# Altium PCB Sensor.PcbDoc (part 1 of 2) (continued)
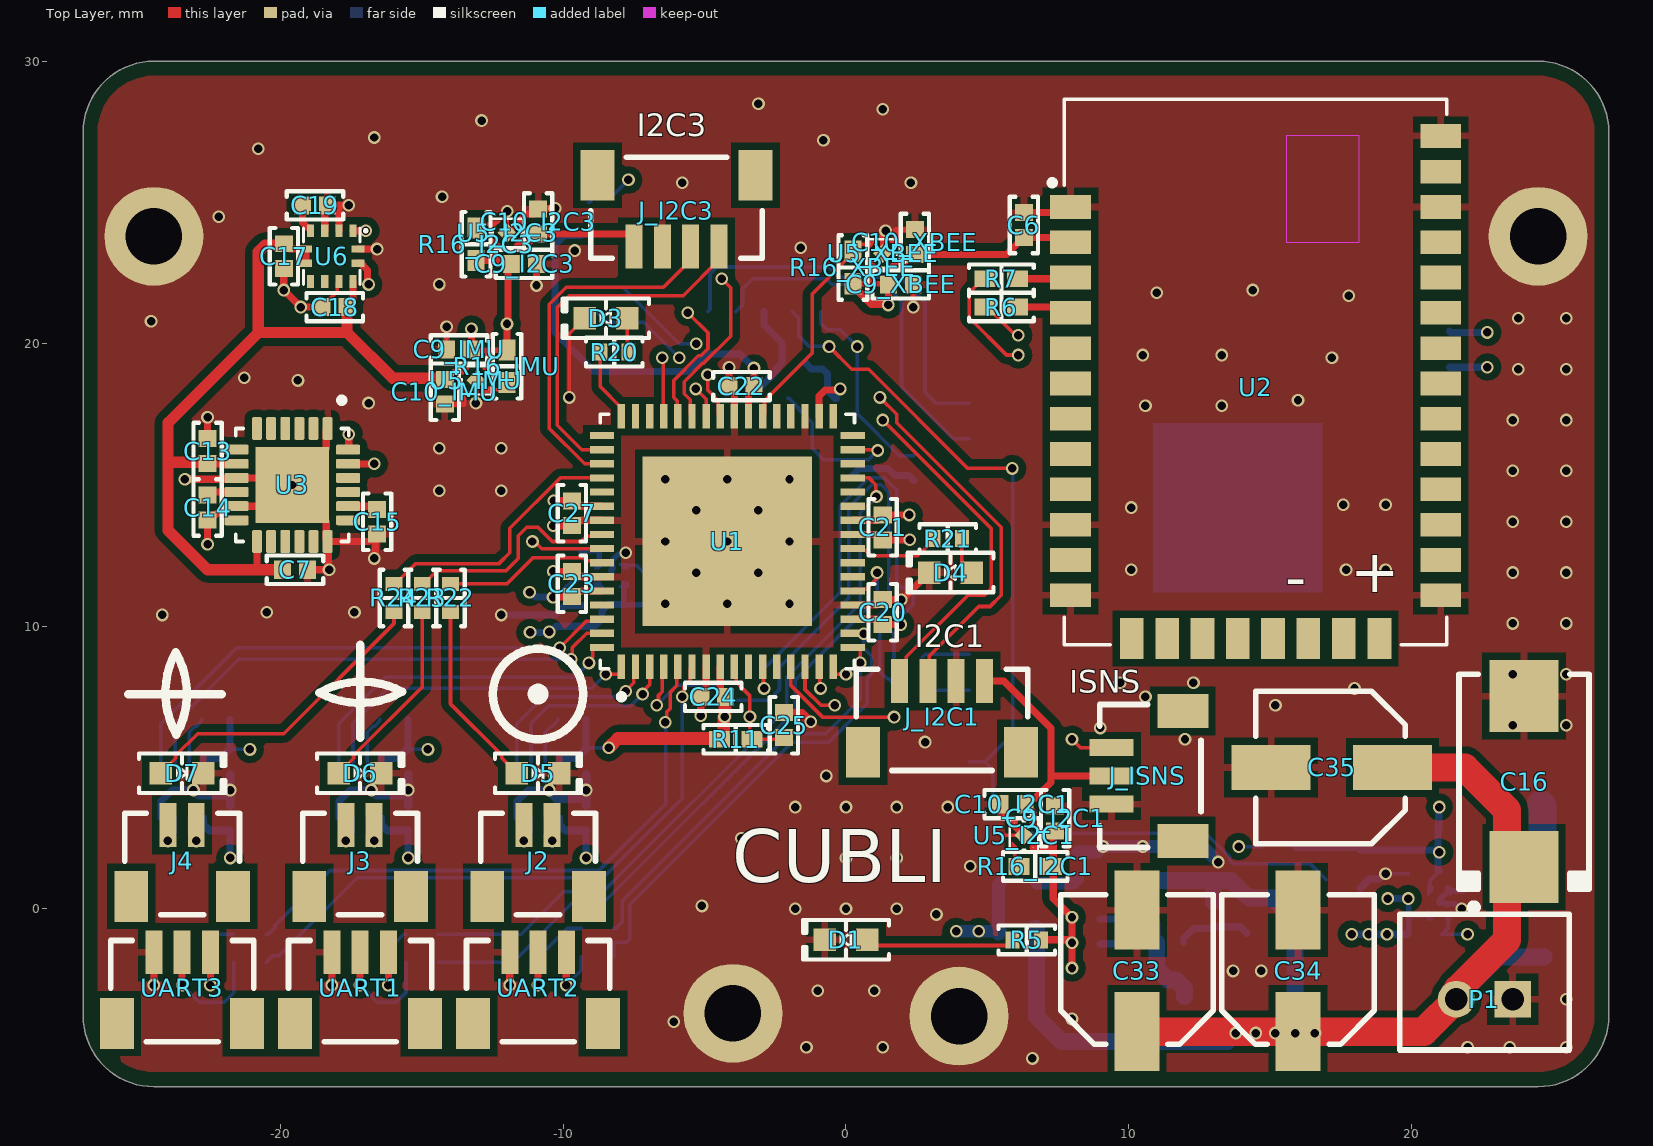
[diagram p0: Top Layer view]
## Components (designator, comment, footprint, x,y, rotation, side; value= is the part's Value field where it differs from the comment)
C1 "1 µF" "CAP 0402_1005" 9,-0.8 r90 bottom
C2 "1 µF" "CAP 0402_1005" 8,-3.4 r90 bottom
C3 "22 µF" "CAP 0402_1005" 8.3,1.5 r270 bottom
C4 "22 µF" "CAP 0603_1608" 14.2,-0.2 r90 bottom
C5 "0.1 µF" "CAP 0402_1005" 13,-0.2 r90 bottom
C6 "1 µF" "CAP 0402_1005" 6.3,24.2 r90 top
C7 "0.1 µF" "CAP 0402_1005" -19.5,12 r0 top
C8 "0.1 µF" "CAP 0402_1005" -9.2,5.2 r270 bottom
C9_ESP "0.1 µF" "CAP 0402_1005" 19.9,0.8 r270 bottom (schematic designator C9)
C9_I2C1 "0.1 µF" "CAP 0402_1005" 7.4,3.2 r270 top (schematic designator C9)
C9_I2C3 "0.1 µF" "CAP 0402_1005" -11.395,22.825 r180 top (schematic designator C9)
C9_IMU "0.1 µF" "CAP 0402_1005" -13.7,19.8 r0 top (schematic designator C9)
C9_MCU "0.1 µF" "CAP 0402_1005" -8.9,10.74 r0 bottom (schematic designator C9)
C9_XBEE "0.1 µF" "CAP 0402_1005" 1.94,22.1 r180 top (schematic designator C9)
C10_ESP "0.1 µF" "CAP 0402_1005" 21.4,1.3 r180 bottom (schematic designator C10)
C10_I2C1 "0.1 µF" "CAP 0402_1005" 5.9,3.7 r0 top (schematic designator C10)
C10_I2C3 "0.1 µF" "CAP 0402_1005" -10.895,24.325 r270 top (schematic designator C10)
C10_IMU "0.1 µF" "CAP 0402_1005" -14.2,18.3 r90 top (schematic designator C10)
C10_MCU "0.1 µF" "CAP 0402_1005" -9.4,12.24 r270 bottom (schematic designator C10)
C10_XBEE "0.1 µF" "CAP 0402_1005" 2.44,23.6 r270 top (schematic designator C10)
C11 "0.1 µF" "CAP 0402_1005" -9.2,3.2 r270 bottom
C12 "0.1 µF" "CAP 0402_1005" -15.5,5.2 r270 bottom
C13 "0.01 µF" "CAP 0402_1005" -22.6,16.2 r90 top
C14 "0.1 µF" "CAP 0402_1005" -22.6,14.2 r270 top
C15 "2200 pF" "CAP 0402_1005" -16.6,13.7 r270 top
C16 "100µF" "CAP POL 2917_7343" 24,4.5 r90 top
C17 "1 µF" "CAP 0402_1005" -19.9,23.1 r270 top
C18 "0.1 µF" "CAP 0402_1005" -18.1,21.3 r180 top
C19 "0.1 µF" "CAP 0402_1005" -18.8,24.9 r0 top
C20 "0.1 µF" "CAP 0402_1005" 1.3,10.5 r270 top
C21 "0.1 µF" "CAP 0402_1005" 1.3,13.5 r90 top
C22 "0.1 µF" "CAP 0402_1005" -3.7,18.5 r0 top
C23 "0.1 µF" "CAP 0402_1005" -9.7,11.5 r270 top
C24 "0.1 µF" "CAP 0402_1005" -4.7,7.5 r0 top
C25 "0.1 µF" "CAP 0402_1005" -2.2,6.5 r90 top
C26 "0.1 µF" "CAP 0402_1005" -15.5,3.2 r270 bottom
C27 "0.1 µF" "CAP 0402_1005" -9.7,14 r90 top
C28 "0.1 µF" "CAP 0402_1005" -21.8,5.2 r270 bottom
C29 "0.1 µF" "CAP 0402_1005" -21.8,3.2 r270 bottom
C30 "22 µF" "CAP 0603_1608" 18.2,1.4 r90 bottom
C31 "0.1 µF" "CAP 0402_1005" 21.4,2.8 r180 bottom
C32 "0.1 µF" "CAP 0402_1005" 2.4,15.6 r90 bottom
C33 "22 µF" "CAP ALSMD 5.3MM H5.4MM" 10.3,-2.2 r90 top
C34 "22 µF" "CAP ALSMD 5.3MM H5.4MM" 16,-2.2 r90 top
C35 "22 µF" "CAP ALSMD 5.3MM H5.4MM" 17.2,5 r180 top
C36 "0.1 µF" "CAP 0402_1005" -1.84,19.3 r0 bottom
D1 "Green" "LED 0603_1608 GREEN" 0,-1.1 r180 top
D2 "TVS" "DO214AC SMA" 24.6,5.7 r90 bottom
D3 "Green" "LED 0603_1608 GREEN" -8.5,20.9 r180 top
D4 "Green" "LED 0603_1608 GREEN" 3.7,11.9 r180 top
D5 "Green" "LED 0603_1608 GREEN" -10.9,4.8 r0 top
D6 "Green" "LED 0603_1608 GREEN" -17.2,4.8 r0 top
D7 "Green" "LED 0603_1608 GREEN" -23.5,4.8 r0 top
ICSP1 "BM05B-SRSS-TB(LF)(SN)" "JST BM05B-SRSS-TB" -10.363,23 r270 bottom
J2 "BM02B-SRSS-TB(LF)(SN)" "JST BM02B-SRSS-TB" -10.9,1.7 r180 top
J3 "BM02B-SRSS-TB(LF)(SN)" "JST BM02B-SRSS-TB" -17.2,1.7 r180 top
J4 "BM02B-SRSS-TB(LF)(SN)" "JST BM02B-SRSS-TB" -23.5,1.7 r180 top
J_ESP "BM05B-SRSS-TB(LF)(SN)" "JST BM05B-SRSS-TB" -2.9,22.4 r180 bottom
J_I2C1 "BM04B-SRSS-TB(LF)(SN)" "JST BM04B-SRSS-TB" 3.4,6.8 r180 top
J_I2C3 "BM04B-SRSS-TB(LF)(SN)" "JST BM04B-SRSS-TB" -6,24.7 r0 top
J_ISNS "BM03B-SRSS-TB(LF)(SN)" "JST BM03B-SRSS-TB" 10.662,4.7 r270 top
L1 "4.7µH" "IND 1008_2520" 10.7,-3.1 r180 bottom
P1 "2 pin 2mm JST Male" "2pin - 2mm JST male" 22.6,-3.2 r180 top
R1 "22 Ohms" "RES 0402_1005" -8.8,-1.7 r180 bottom
R2 "22 Ohms" "RES 0402_1005" -8.8,-0.7 r180 bottom
R3 "22 Ohms" "RES 0402_1005" -21.1,-0.9 r180 bottom
R4 "22 Ohms" "RES 0402_1005" -21.1,-1.9 r180 bottom
R5 "1 kOhms" "YAGEO RES 0402_1005" 6.4,-1.1 r180 top
R6 "22 Ohms" "RES 0402_1005" 5.5,21.3 r0 top
R7 "22 Ohms" "RES 0402_1005" 5.5,22.3 r0 top
R8 "1 kOhms" "YAGEO RES 0402_1005" -9.7,6.7 r180 bottom
R9 "1 kOhms" "YAGEO RES 0402_1005" -16,6.7 r180 bottom
R10 "1 kOhms" "YAGEO RES 0402_1005" -22.3,6.7 r180 bottom
R11 "10k" "RES 0402_1005" -3.9,6 r0 top
R12 "22 Ohms" "RES 0402_1005" -15,-0.9 r180 bottom
R13 "22 Ohms" "RES 0402_1005" -15,-1.9 r180 bottom
R14 "22 Ohms" "YAGEO RES 0402_1005" 2.2,7.9 r180 bottom
R15 "22 Ohms" "YAGEO RES 0402_1005" 2.2,8.9 r180 bottom
R16_ESP "10k" "RES 0402_1005" 20.5,-0.9 r0 bottom (schematic designator R16)
R16_I2C1 "10k" "RES 0402_1005" 6.7,1.5 r180 top (schematic designator R16)
R16_I2C3 "10k" "RES 0402_1005" -13.095,23.525 r90 top (schematic designator R16)
R16_IMU "10k" "RES 0402_1005" -12,19.2 r270 top (schematic designator R16)
R16_MCU "10k" "RES 0402_1005" -7.2,11.34 r90 bottom (schematic designator R16)
R16_XBEE "10k" "RES 0402_1005" 0.24,22.7 r90 top (schematic designator R16)
R17 "10 kOhms" "RES 0402_1005" 15.325,2.2 r180 bottom
R18 "10 kOhms" "RES 0402_1005" 17,1.6 r90 bottom
R19 "0.1 Ohms" "RES 1206_3216" 24.7,-0.3 r270 bottom value="0 Ohms"
R20 "1 kOhms" "YAGEO RES 0402_1005" -8.2,19.7 r180 top
R21 "1 kOhms" "YAGEO RES 0402_1005" 3.6,13.1 r180 top
R22 "1 kOhms" "YAGEO RES 0402_1005" -14,11 r90 top
R23 "1 kOhms" "YAGEO RES 0402_1005" -15,11 r90 top
R24 "1 kOhms" "YAGEO RES 0402_1005" -16,11 r90 top
R25 "0R" "RES 0603_1608" 6.1,-0.8 r180 bottom
R26 "0R" "RES 0603_1608" 6.1,0.9 r180 bottom
U1 "PIC32MZ0512EFE064" QFN50P900X900X100-65N -4.2,13 r90 top
U2 "XB3-24Z8UM-J" XCVR_XB3-24Z8UM-J 14.5,19 r0 top
U3 "MPU6050" IC_MPU6050 -19.6,15 r270 top
U4 "AP63205WU-7" "TSOT-26-6 - 3.2mm" 11,-0.1 r180 bottom
U5_ESP "TLV74033PDQNR" XDFN-4 21,0.2 r270 bottom (schematic designator U5)
U5_I2C1 "TLV74033PDQNR" XDFN-4 6.3,2.6 r270 top (schematic designator U5)
U5_I2C3 "TLV74033PDQNR" XDFN-4 -11.995,23.925 r180 top (schematic designator U5)
U5_IMU "TLV74033PDQNR" XDFN-4 -13.1,18.7 r0 top (schematic designator U5)
U5_MCU "TLV74033PDQNR" XDFN-4 -8.3,11.8 r0 bottom (schematic designator U5)
U5_XBEE "TLV74033PDQNR" XDFN-4 1.3,23.2 r180 top (schematic designator U5)
U6 "LIS3MDL" LGA12_ST -18.2,23.1 r270 top
U7 "ESP32" "Espressif ESP32-WROOM-32" 12.865,14.2 r180 bottom
U8 "DRV8837CDSGR" SON50P200X200X80-9N -10.9,4.2 r90 bottom
U9 "DRV8837CDSGR" SON50P200X200X80-9N -17.2,4.2 r90 bottom
U10 "DRV8837CDSGR" SON50P200X200X80-9N -23.5,4.2 r90 bottom
UART1 "BM03B-SRSS-TB(LF)(SN)" "JST BM03B-SRSS-TB" -17.2,-2.8 r180 top
UART2 "BM03B-SRSS-TB(LF)(SN)" "JST BM03B-SRSS-TB" -10.9,-2.8 r180 top
UART3 "BM03B-SRSS-TB(LF)(SN)" "JST BM03B-SRSS-TB" -23.5,-2.8 r180 top
Y1 "27MHz" "ABRACON ASD" -1.2,17.4 r180 bottom

## Footprints (in the part's own frame and the unit in brackets; to place one, negate y for a bottom-side part, rotate by r counter-clockwise, add the part's x,y. Pads: shape width x height; smd on the part's side, far side on the other; paste and mask are expansions set on the pad)
"2pin - 2mm JST male" [mm]
  rect 1.3x1.3 hole 0.8: 1(-1,0)
  round 1.3 hole 0.8: 2(1,0)
  silkscreen extent -3,-3 3,1.8, body extent -2.93,-2.97 2.93,1.7, height 5.89
"ABRACON ASD" [mm] "Crystal, 4-Leads, Body 2.00x2.45mm, Pitch 1.65mm, IPC Medium Density"
  rect 0.9x0.8 smd: 1(-0.865,-0.665) 2(0.865,-0.665) 3(0.865,0.665) 4(-0.865,0.665)
  silkscreen extent -1.75,-1.55 1.6,1.4, body extent -1.27,-1.02 1.28,1.03, height 1
"CAP 0402_1005" [mm] "Chip Capacitor, 2-Leads, Body 1.02x0.51mm, IPC Medium Density"
  rect 0.6x0.64 smd: 1(-0.44,0) 2(0.44,0)
  silkscreen extent -1,-0.5 1,0.5, body extent -0.5,-0.26 0.5,0.26, height 0.52
"CAP 0603_1608" [mm] "Chip Capacitor, 2-Leads, Body 1.60x0.80mm, IPC Medium Density"
  rect 0.9x1 smd: 1(-0.675,0) 2(0.675,0)
  silkscreen extent -1.4,-0.7 1.4,0.7, body extent -0.8,-0.41 0.8,0.41, height 0.82
"CAP ALSMD 5.3MM H5.4MM" [mm] "Aluminum Electrolytic Capacitor, Body 5.30x5.30x5.40mm, IPC Low Density"
  rect 2.8x1.6 smd: 1(-2.15,0) 2(2.15,0)
  silkscreen extent -2.6,-2.7 2.7,2.7, body extent -2.95,-2.7 2.95,2.7, height 5.4
"CAP POL 2917_7343" [mm] "Molded Capacitor, 2-Leads, Body 7.30x4.30mm, IPC Medium Density"
  rect 2.55x2.45 smd: 1(-3.025,0) 2(3.025,0)
  silkscreen extent -4.57,-2.3 3.8,2.3, body extent -3.65,-2.15 3.65,2.15, height 4.1
"DO214AC SMA" [mm] "Molded Diode, 2-Leads, Body 4.30x2.60mm, IPC Medium Density"
  rect 2.5x1.7 smd: 1(-2,0) 2(2,0)
  silkscreen extent -3.68,-1.65 3.75,1.65, body extent -2.6,-1.37 2.6,1.37, height 2.4
"Espressif ESP32-WROOM-32" [mm] "39-SMD Module"
  rrect10% 2x0.9 smd paste+0 mask+0.05: 1(-8.5,7.51) 2(-8.5,6.24) 3(-8.5,4.97) 4(-8.5,3.7) 5(-8.5,2.43) 6(-8.5,1.16) 7(-8.5,-0.11) 8(-8.5,-1.38) 9(-8.5,-2.65) 10(-8.5,-3.92) 11(-8.5,-5.19) 12(-8.5,-6.46) 13(-8.5,-7.73) 14(-8.5,-9) 25(8.5,-9) 26(8.5,-7.73) 27(8.5,-6.46) 28(8.5,-5.19) 29(8.5,-3.92) 30(8.5,-2.65)
  rrect10% 0.9x2 smd paste+0 mask+0.05: 15(-5.715,-10) 16(-4.445,-10) 17(-3.175,-10) 18(-1.905,-10) 19(-0.635,-10) 20(0.635,-10) 21(1.905,-10) 22(3.175,-10) 23(4.445,-10) 24(5.715,-10)
  rect 2x0.9 smd paste+0 mask+0.05: 31(8.5,-1.38) 32(8.5,-0.11) 33(8.5,1.16) 34(8.5,2.43) 35(8.5,3.7) 36(8.5,4.97) 37(8.5,6.24) 38(8.5,7.51)
  rect 1.33x1.33 smd paste+0 mask+0.05: 39(-2.835,-1.835) 39(-2.835,0) 39(-2.835,1.835) 39(-1,0) 39(-1,-1.835) 39(-1,1.835) 39(0.835,-1.835) 39(0.835,0) 39(0.835,1.835)
  Top Layer region: -4.001,3 1.999,3 1.999,-3 -4.001,-3
  silkscreen extent -10.71,-10.5 9,15, body extent -9,-10.5 9,15, height 3.2
IC_MPU6050 [mm]
  rrect25% 0.8x0.35 smd: 1(-2,1.25) 2(-2,0.75) 3(-2,0.25) 4(-2,-0.25) 5(-2,-0.75) 6(-2,-1.25) 13(2,-1.25) 14(2,-0.75) 15(2,-0.25) 16(2,0.25) 17(2,0.75) 18(2,1.25)
  rrect25% 0.35x0.85 smd: 7(-1.25,-1.975) 8(-0.75,-1.975) 9(-0.25,-1.975) 10(0.25,-1.975) 11(0.75,-1.975) 12(1.25,-1.975) 19(1.25,1.975) 20(0.75,1.975) 21(0.25,1.975) 22(-0.25,1.975) 23(-0.75,1.975) 24(-1.25,1.975)
  rect 2.7x2.6 smd paste-2: 25(0,0)
  silkscreen extent -3.1,-2 2,2, body extent -2,-2 2,2, height 0.93
"IND 1008_2520" [mm] "Chip Inductance, 2-leads, Body 2.5x2.1mm, IPC Medium Density"
  rect 1.2x1.75 smd: 1(-1.275,0) 2(1.275,0)
  silkscreen extent -2.18,-1.22 2.2,1.22, body extent -1.3,-1.05 1.3,1.05, height 1
"JST BM02B-SRSS-TB" [mm] "1.0mm pitch/Disconnectable Crimp style connector"
  rect 0.6x1.55 smd: 1(-0.5,-1.262) 2(0.5,-1.262)
  rect 1.2x1.8 smd: M(-1.8,1.262) M(1.8,1.262)
  silkscreen extent -2.03,-1.68 2.03,1.91, body extent -2,-1.69 2,1.91, height 4.32
"JST BM03B-SRSS-TB" [mm] "1.0mm pitch/Disconnectable Crimp style connector"
  rect 0.6x1.55 smd: 1(-1,-1.262) 2(0,-1.262) 3(1,-1.262)
  rect 1.2x1.8 smd: M(-2.3,1.262) M(2.3,1.262)
  silkscreen extent -2.53,-1.68 2.53,1.91, body extent -2.5,-1.69 2.5,1.91, height 4.32
"JST BM04B-SRSS-TB" [mm] "1.0mm pitch/Disconnectable Crimp style connector"
  rect 0.6x1.55 smd: 1(-1.5,-1.262) 2(-0.5,-1.262) 3(0.5,-1.262) 4(1.5,-1.262)
  rect 1.2x1.8 smd: M(-2.8,1.262) M(2.8,1.262)
  silkscreen extent -3.03,-1.68 3.03,1.91, body extent -3,-1.69 3,1.91, height 4.32
"JST BM05B-SRSS-TB" [mm] "1.0mm pitch/Disconnectable Crimp style connector"
  rect 0.6x1.55 smd: 1(-2,-1.262) 2(-1,-1.262) 3(0,-1.262) 4(1,-1.262) 5(2,-1.262)
  rect 1.2x1.8 smd: M(-3.3,1.262) M(3.3,1.262)
  silkscreen extent -3.53,-1.68 3.53,1.91, body extent -3.5,-1.69 3.5,1.91, height 4.32
"LED 0603_1608 GREEN" [mm] "Chip Diode, 2-Leads, Body 1.60x0.80mm, IPC Medium Density"
  rect 0.8x0.8 smd: 1(-0.75,0) 2(0.75,0)
  silkscreen extent -1.52,-0.7 1.52,0.7, body extent -0.8,-0.4 0.8,0.4, height 0.53
LGA12_ST [mm]
  rect 0.45x0.25 smd: 1(-0.9,0.75) 2(-0.9,0.25) 3(-0.9,-0.25) 4(-0.9,-0.75) 7(0.9,-0.75) 8(0.9,-0.25) 9(0.9,0.25) 10(0.9,0.75)
  rect 0.25x0.45 smd: 5(-0.25,-0.925) 6(0.25,-0.925) 11(0.25,0.925) 12(-0.25,0.925)
  silkscreen extent -1,-1 1,1.25, body extent -1,-1 1,1, height 0.25
QFN50P900X900X100-65N [mm]
  rect 0.86x0.26 smd: 1(-4.435,3.75) 2(-4.435,3.25) 3(-4.435,2.75) 4(-4.435,2.25) 5(-4.435,1.75) 6(-4.435,1.25) 7(-4.435,0.75) 8(-4.435,0.25) 9(-4.435,-0.25) 10(-4.435,-0.75) 11(-4.435,-1.25) 12(-4.435,-1.75) 13(-4.435,-2.25) 14(-4.435,-2.75) 15(-4.435,-3.25) 16(-4.435,-3.75) 33(4.435,-3.75) 34(4.435,-3.25) 35(4.435,-2.75) 36(4.435,-2.25) 37(4.435,-1.75) 38(4.435,-1.25) 39(4.435,-0.75) 40(4.435,-0.25) 41(4.435,0.25) 42(4.435,0.75) 43(4.435,1.25) 44(4.435,1.75) 45(4.435,2.25) 46(4.435,2.75) 47(4.435,3.25) 48(4.435,3.75)
  rect 0.26x0.86 smd: 17(-3.75,-4.435) 18(-3.25,-4.435) 19(-2.75,-4.435) 20(-2.25,-4.435) 21(-1.75,-4.435) 22(-1.25,-4.435) 23(-0.75,-4.435) 24(-0.25,-4.435) 25(0.25,-4.435) 26(0.75,-4.435) 27(1.25,-4.435) 28(1.75,-4.435) 29(2.25,-4.435) 30(2.75,-4.435) 31(3.25,-4.435) 32(3.75,-4.435) 49(3.75,4.435) 50(3.25,4.435) 51(2.75,4.435) 52(2.25,4.435) 53(1.75,4.435) 54(1.25,4.435) 55(0.75,4.435) 56(0.25,4.435) 57(-0.25,4.435) 58(-0.75,4.435) 59(-1.25,4.435) 60(-1.75,4.435) 61(-2.25,4.435) 62(-2.75,4.435) 63(-3.25,4.435) 64(-3.75,4.435)
  rect 6x6 smd: 65(0,0)
  silkscreen extent -5.59,-4.5 4.5,4.5, body extent -4.52,-4.52 4.52,4.52, height 0.9
"RES 0402_1005" [mm] "Chip Resistor, 2-Leads, Body 1.0x0.5mm, IPC Medium Density"
  rect 0.75x0.6 smd: 1(-0.575,0) 2(0.575,0)
  silkscreen extent -1.14,-0.51 1.14,0.51, body extent -0.5,-0.25 0.5,0.25, height 0.35
"RES 0603_1608" [mm] "Chip Resistor, 2-Leads, Body 1.60x0.80mm, IPC Medium Density"
  rect 0.85x0.95 smd: 1(-0.65,0) 2(0.65,0)
  silkscreen extent -1.27,-0.7 1.27,0.7, body extent -0.8,-0.4 0.8,0.4, height 0.45
"RES 1206_3216" [mm] "Chip Resistor, 2-Leads, Body 3.13x1.55mm, IPC Medium Density"
  rect 1.2x1.65 smd: 1(-1.4,0) 2(1.4,0)
  silkscreen extent -2.3,-1.1 2.3,1.1, body extent -1.6,-0.8 1.6,0.8, height 0.6
SON50P200X200X80-9N [mm]
  rrect25% 0.74x0.28 smd: 1(-0.985,0.75) 2(-0.985,0.25) 3(-0.985,-0.25) 4(-0.985,-0.75) 5(0.985,-0.75) 6(0.985,-0.25) 7(0.985,0.25) 8(0.985,0.75)
  rect 0.9x1.6 smd paste-2: 9(0,0)
  silkscreen extent -2.02,-1.21 1,1.21, body extent -1,-1 1,1, height 0.75
"TSOT-26-6 - 3.2mm" [mm]
  rect 0.7x1 smd: 1(0.95,1.1) 2(0,1.1) 3(-0.95,1.1) 4(-0.95,-1.1) 5(0,-1.1) 6(0.95,-1.1)
  silkscreen extent 1.54,1.25 1.65,1.35, body extent -1.45,-1.2 1.45,1.2, height 1
XCVR_XB3-24Z8UM-J [mil]
  rect 57x33 smd: 1(-258,230) 2(-258,180.8) 3(-258,131.6) 4(-258,82.4) 5(-258,33.2) 6(-258,-16) 7(-258,-65.2) 8(-258,-114.4) 9(-258,-163.6) 10(-258,-212.8) 11(-258,-262) 12(-258,-311.2) 21(258,-311.2) 22(258,-262) 23(258,-212.8) 24(258,-163.6) 25(258,-114.4) 26(258,-65.2) 27(258,-16) 28(258,33.2) 29(258,82.4) 30(258,131.6) 31(258,180.8) 32(258,230) 33(258,279.2) 34(258,329)
  rect 33x57 smd: 13(-172.5,-371.5) 14(-123.3,-371.5) 15(-74.1,-371.5) 16(-24.9,-371.5) 17(24.3,-371.5) 18(73.5,-371.5) 19(122.7,-371.5) 20(172.5,-371.5)
  Keep-Out Layer region: 143.5,180 43.5,180 43.5,330 143.5,330
  silkscreen extent -287,-380 266,380, body extent -267,-380 267,380, height 97
XDFN-4 [mil]
  round 1 smd mask+2.56: 1(-16.93,12.79) 2(-16.93,-12.79) 3(16.93,-12.79) 4(16.93,12.79)
  rect 18.9x18.9 smd rot 135 mask+2.56: 5(0,0)
  Top Layer region: -16.93,8.65 -9.84,15.75 -9.84,16.93 -24.02,16.93 -24.02,8.65
  Top Layer region: -16.93,-8.65 -9.84,-15.75 -9.84,-16.93 -24.02,-16.93 -24.02,-8.65
  Top Layer region: 16.93,8.65 9.84,15.75 9.84,16.93 24.02,16.93 24.02,8.65
  Top Layer region: 16.93,-8.65 9.84,-15.75 9.84,-16.93 24.02,-16.93 24.02,-8.65
  silkscreen extent -31,-20 20,20, body extent -20,-20 20,20, height 16
"YAGEO RES 0402_1005" [mm] "Chip Resistor, 2-Leads, Body 1.0x0.5mm"
  rect 0.5x0.6 smd: 1(-0.5,0) 2(0.5,0)
  silkscreen extent -1,-0.51 1,0.51, body extent -0.5,-0.25 0.5,0.25, height 0.35

## Part data
C1 C2 C3 C6 C13 C15 C17: library part C0402C104K4RACAUTO, "CAP CER 0.1UF 16V X7R 0402", Capacitance="0.1 µF", Device Package="0402 (1005 Metric)", Manufacturer=KEMET, Operating Temperature="-55°C ~ 125°C", Ratings=AEC-Q200, Supplier Part Number 1=399-6828-1-ND, Temperature Coefficient=X7R, Tolerance=±10%, Voltage - Rated=16V, Applications="Automotive, Bypass, Decoupling", ComponentLink1Description=Datasheet, ComponentLink1URL=https://api.kemet.com/component-edge/download/specsheet/C0402C104K4RACAUTO.pdf, ComponentLink2Description="DigiKey Link", ComponentLink2URL=https://www.digikey.com/en/products/detail/kemet/C0402C104K4RACAUTO/3314827, LastUpdated="8/14/2022 9:05:51 PM", Lifecycle Status=Active, Minimum Order=1, Mounting Type="Surface Mount, MLCC", Package / Case="0402 (1005 Metric)", Packaging=TapeAndReel, Part Number=C0402C104K4RACAUTO, Part Status=Active, PartId=3024, Price=0.01, Series="SMD Auto X7R", Size / Dimension="0.039\" L x 0.020\" W (1.00mm x 0.50mm)", Supplier 1=DigiKey, Thickness (Max)="0.022\" (0.55mm)"
C4 C30: library part C0603B476M007T, "CAP CER 47UF 6.3V X5R 0603", Capacitance="47 µF", Device Package="0603 (1608 Metric)", Manufacturer="Holy Stone Enterprise Co., Ltd.", Operating Temperature="-55°C ~ 85°C", Supplier Part Number 1=4587-C0603B476M007TCT-ND, Temperature Coefficient=X5R, Tolerance=±20%, Voltage - Rated=6.3V, Applications="SMPS Filtering", ComponentLink1Description=Datasheet, ComponentLink1URL=https://media.digikey.com/pdf/Data%20Sheets/Holy%20Stone/HCC_Series_DS.pdf, ComponentLink2Description="DigiKey Link", ComponentLink2URL=https://www.digikey.com/en/products/detail/holy-stone-enterprise-co-ltd/C0603B476M007T/16895203, LastUpdated="2/9/2024 8:09:41 PM", Lifecycle Status=Active, Minimum Order=1, Mounting Type="Surface Mount, MLCC", Package / Case="0603 (1608 Metric)", Packaging=TapeAndReel, Part Number=C0603B476M007T, Part Status=Active, PartId=48531, Price=0.12, Series=HCC, Size / Dimension="0.063\" L x 0.031\" W (1.60mm x 0.80mm)", Supplier 1=DigiKey, Thickness (Max)="0.039\" (1.00mm)"
C5 C7 C8 C9_ESP C9_I2C1 C9_I2C3 C9_IMU C9_MCU C9_XBEE C10_ESP C10_I2C1 C10_I2C3 C10_IMU C10_MCU C10_XBEE C11 C12 C14 C18 C19 C20 C21 C22 C23 C24 C25 C26 C27 C28 C29 C36: library part C0402C104K4RACAUTO, "CAP CER 0.1UF 16V X7R 0402", Device Package="0402 (1005 Metric)", Manufacturer=KEMET, Operating Temperature="-55°C ~ 125°C", Ratings=AEC-Q200, Supplier Part Number 1=399-6828-1-ND, Temperature Coefficient=X7R, Tolerance=±10%, Voltage - Rated=16V, Applications="Automotive, Bypass, Decoupling", Capacitance="0.1 µF", ComponentLink1Description=Datasheet, ComponentLink1URL=https://api.kemet.com/component-edge/download/specsheet/C0402C104K4RACAUTO.pdf, ComponentLink2Description="DigiKey Link", ComponentLink2URL=https://www.digikey.com/en/products/detail/kemet/C0402C104K4RACAUTO/3314827, Lifecycle Status=Active, Minimum Order=1, Mounting Type="Surface Mount, MLCC", Package / Case="0402 (1005 Metric)", Packaging=TapeAndReel, Part Number=C0402C104K4RACAUTO, Part Status=Active, PartId=3024, Price=0.01, Series="SMD Auto X7R", Size / Dimension="0.039\" L x 0.020\" W (1.00mm x 0.50mm)", Supplier 1=DigiKey, Thickness (Max)="0.022\" (0.55mm)"
  C5 C7 C8 C9_ESP C9_I2C1 C9_I2C3 C9_IMU C9_MCU C9_XBEE C10_ESP C10_I2C1 C10_I2C3 C10_IMU C10_MCU C10_XBEE C11 C12 C14 C18 C19 C20 C21 C22 C23 C24 C25 C26 C27 C28 C29: LastUpdated="8/14/2022 9:05:51 PM"
  C36: LastUpdated="2/9/2024 8:04:35 PM"
C16: library part 293D107X0020E2TE3, "CAP TANT 100UF 20% 20V 2917", Device Package="2917 (7343 Metric)", ESR (Equivalent Series Resistance)=500mOhm, Manufacturer="Vishay Sprague", Manufacturer Size Code=E, Operating Temperature="-55°C ~ 125°C", Supplier Part Number 1=718-293D107X0020E2TE3CT-ND, Tolerance=±20%, Capacitance=100µF, ComponentLink1Description=Datasheet, ComponentLink1URL=http://www.vishay.com/docs/40002/293d.pdf, ComponentLink2Description="DigiKey Link", ComponentLink2URL=http://digikey.com/product-detail/en/vishay-sprague/293D107X0020E2TE3/718-293D107X0020E2TE3CT-ND/10507022, Features="General Purpose", Height - Seated (Max)="0.170\" (4.32mm)", LastUpdated="13-Aug-20 10:43:35 AM", Lifecycle Status=Active, Minimum Order=1, Mounting Type="Surface Mount", Package / Case="2917 (7343 Metric)", Packaging=TapeAndReel, Part Number=293D107X0020E2TE3, Part Status=Active, PartId=1360, Price=0.70, Series="TANTAMOUNT®, 293D", Size / Dimension="0.287\" L x 0.169\" W (7.30mm x 4.30mm)", Supplier 1=DigiKey, Type=Molded
C31 C32: library part C1005X5R1E104K050BC, "CAP CER 0.1UF 25V X5R 0402", Device Package="0402 (1005 Metric)", Manufacturer="TDK Corporation", Operating Temperature="-55°C ~ 85°C", Supplier Part Number 1=445-4964-1-ND, Temperature Coefficient=X5R, Tolerance=±10%, Voltage - Rated=25V, Applications="General Purpose", Capacitance="0.1 µF", ComponentLink1Description=Datasheet, ComponentLink1URL=https://product.tdk.com/info/en/catalog/datasheets/mlcc_commercial_general_en.pdf?ref_disty=digikey, ComponentLink2Description="DigiKey Link", ComponentLink2URL=https://www.digikey.com/en/products/detail/tdk-corporation/C1005X5R1E104K050BC/2093232, Features="Low ESL", LastUpdated="9/24/2023 7:03:59 PM", Lifecycle Status=Active, Minimum Order=1, Mounting Type="Surface Mount, MLCC", Package / Case="0402 (1005 Metric)", Packaging=TapeAndReel, Part Number=C1005X5R1E104K050BC, Part Status=Active, PartId=34396, Price=0.01, Series=C, Size / Dimension="0.039\" L x 0.020\" W (1.00mm x 0.50mm)", Supplier 1=DigiKey, Thickness (Max)="0.022\" (0.55mm)"
C33 C34 C35: library part EMZA350ADA220ME61G, "CAP ALUM 22UF 20% 35V SMD", Device Package="Radial, Can - SMD", Lifetime @ Temp.="2000 Hrs @ 105°C", Manufacturer="United Chemi-Con", Operating Temperature="-55°C ~ 105°C", Ratings=AEC-Q200, Ripple Current @ High Frequency="160 mA @ 100 kHz", Ripple Current @ Low Frequency="64 mA @ 120 Hz", Supplier Part Number 1=565-2556-1-ND, Tolerance=±20%, Voltage - Rated="35 V", Applications=Automotive, Capacitance="22 µF", ComponentLink1Description=Datasheet, ComponentLink1URL=http://www.chemi-con.co.jp/cgi-bin/CAT_DB/SEARCH/cat_db_al.cgi?e=e&j=p&pdfname=mza, ComponentLink2Description="DigiKey Link", ComponentLink2URL=https://www.digikey.com/en/products/detail/united-chemi-con/EMZA350ADA220ME61G/757201, Height - Seated (Max)="0.240\" (6.10mm)", Impedance="700 mOhms", LastUpdated="6/3/2024 7:53:11 PM", Lifecycle Status=Active, Minimum Order=1, Mounting Type="Surface Mount", Package / Case="Radial, Can - SMD", Packaging=TapeAndReel, Part Number=EMZA350ADA220ME61G, Part Status=Active, PartId=27195, Polarization=Polar, Price=0.12, Series="Alchip™- MZA", Size / Dimension="0.197\" Dia (5.00mm)", Supplier 1=DigiKey, Surface Mount Land Size="0.209\" L x 0.209\" W (5.30mm x 5.30mm)"
D1 D3 D4 D5 D6 D7: library part XZCDGK53W-8VF, "1.6X0.8MM LC GREEN PIXSOLED DOME", Current - Test=2mA, Device Package="0603 (1608 Metric)", Lens Color=Colorless, Manufacturer=SunLED, Millicandela Rating=417mcd, Supplier Device Package=2-SMD, Supplier Part Number 1=1497-XZCDGK53W-8VFCT-ND, Voltage - Forward (Vf) (Typ)=2.65V, Color=Green, ComponentLink1Description=Datasheet, ComponentLink1URL=https://www.sunledusa.com/products/spec/XZCDGK53W-8VF.pdf, ComponentLink2Description="DigiKey Link", ComponentLink2URL=http://digikey.com/product-detail/en/sunled/XZCDGK53W-8VF/1497-XZCDGK53W-8VFCT-ND/10449792, Configuration=Independent, Height (Max)=1.10mm, LastUpdated="21-Jan-20 3:12:09 AM", Lens Size="0.35mm Dia", Lens Style="Round with Domed Top", Lens Transparency=Clear, Lifecycle Status=Active, Minimum Order=1, Mounting Type="Surface Mount", Package / Case="0603 (1608 Metric)", Packaging=Unknown, Part Number=XZCDGK53W-8VF, Part Status=Active, PartId=938, Price=0.18, Series="Ultra Low Current", Size / Dimension="1.60mm L x 0.80mm W", Supplier 1=DigiKey, Viewing Angle=60°, Wavelength - Dominant=525nm, Wavelength - Peak=515nm
D2: library part SMAJ110CA-E3/61, "TVS DIODE 110V 177V DO214AC", Current - Peak Pulse (10/1000µs)=1.7A, Manufacturer="Vishay Semiconductor Diodes Division", Operating Temperature="-55°C ~ 150°C (TJ)", Package / Case="DO-214AC, SMA", Power - Peak Pulse=300W, Power Line Protection=No, Supplier Device Package="DO-214AC (SMA)", Supplier Part Number 1=SMAJ110CA-E3/61GICT-ND, Voltage - Breakdown (Min)=122V, Voltage - Clamping (Max) @ Ipp=177V, Voltage - Reverse Standoff (Typ)=110V, Applications="General Purpose", Bidirectional Channels=1, ComponentLink1Description=Datasheet, ComponentLink1URL=http://www.vishay.com/docs/88390/smaj50a.pdf, ComponentLink2Description="DigiKey Link", ComponentLink2URL=http://digikey.com/product-detail/en/vishay-semiconductor-diodes-division/SMAJ110CA-E3-61/SMAJ110CA-E3-61GICT-ND/3847618, LastUpdated="6/3/2024 8:21:23 PM", Lifecycle Status=Active, Minimum Order=1, Mounting Type="Surface Mount", Packaging=TapeAndReel, Part Number=SMAJ110CA-E3/61, Part Status=Active, PartId=7836, Price=0.10, Series=TransZorb®, Supplier 1=DigiKey, Type=Zener
ICSP1 J_ESP: "CONN HEADER SMD 5POS 1MM", Current Rating (Amps)=0.7A, Insulation Color=Natural, Manufacturer="JST Sales America Inc.", Material Flammability Rating="UL94 V-0", Operating Temperature="-25°C ~ 85°C", Supplier Part Number 1=455-1791-1-ND, Voltage Rating=50V, ComponentLink1Description=Datasheet, ComponentLink1URL=http://www.jst-mfg.com/product/pdf/eng/eSR.pdf, ComponentLink2Description="DigiKey Link", ComponentLink2URL=http://digikey.com/product-detail/en/jst-sales-america-inc/BM05B-SRSS-TB-LF-SN/455-1791-1-ND/926862, Connector Type=Header, Contact Finish - Mating=Tin, Contact Finish - Post=Tin, Contact Material="Copper Alloy", Contact Shape=Square, Contact Type="Male Pin", Fastening Type=Push-Pull, Features="Solder Retention", Insulation Height="0.167\" (4.25mm)", Insulation Material="Polyamide (PA), Nylon", LastUpdated="1/12/2020 10:14:00 PM", Lifecycle Status=Active, Minimum Order=1, Mounting Type="Surface Mount", Number of Positions=5, Number of Positions Loaded=All, Number of Rows=1, Packaging=TapeAndReel, Part Number=BM05B-SRSS-TB(LF)(SN), Part Status=Active, PartId=18, Pitch - Mating="0.039\" (1.00mm)", Price=0.35, Series=SR, Shrouding="Shrouded - 4 Wall", Style="Board to Cable/Wire", Supplier 1=DigiKey, Termination=Solder
J2 J3 J4: "CONN HEADER SMD 2POS 1MM", Current Rating (Amps)=0.7A, Insulation Color=Natural, Manufacturer="JST Sales America Inc.", Material Flammability Rating="UL94 V-0", Operating Temperature="-25°C ~ 85°C", Supplier Part Number 1=455-1788-1-ND, Voltage Rating=50V, ComponentLink1Description=Datasheet, ComponentLink1URL=http://www.jst-mfg.com/product/pdf/eng/eSR.pdf, ComponentLink2Description="DigiKey Link", ComponentLink2URL=http://digikey.com/product-detail/en/jst-sales-america-inc/BM02B-SRSS-TB-LF-SN/455-1788-1-ND/926859, Connector Type=Header, Contact Finish - Mating=Tin, Contact Finish - Post=Tin, Contact Material="Copper Alloy", Contact Shape=Square, Contact Type="Male Pin", Fastening Type=Push-Pull, Features="Solder Retention", Insulation Height="0.167\" (4.25mm)", Insulation Material="Polyamide (PA), Nylon", LastUpdated="1/12/2020 10:11:04 PM", Lifecycle Status=Active, Minimum Order=1, Mounting Type="Surface Mount", Number of Positions=2, Number of Positions Loaded=All, Number of Rows=1, Packaging=TapeAndReel, Part Number=BM02B-SRSS-TB(LF)(SN), Part Status=Active, PartId=12, Pitch - Mating="0.039\" (1.00mm)", Price=0.22, Series=SR, Shrouding="Shrouded - 4 Wall", Style="Board to Cable/Wire", Supplier 1=DigiKey, Termination=Solder
J_I2C1 J_I2C3: "CONN HEADER SMD 4POS 1MM", Current Rating (Amps)=0.7A, Insulation Color=Natural, Manufacturer="JST Sales America Inc.", Material Flammability Rating="UL94 V-0", Operating Temperature="-25°C ~ 85°C", Supplier Part Number 1=455-1790-1-ND, Voltage Rating=50V, ComponentLink1Description=Datasheet, ComponentLink1URL=http://www.jst-mfg.com/product/pdf/eng/eSH.pdf, ComponentLink2Description="DigiKey Link", ComponentLink2URL=http://digikey.com/product-detail/en/jst-sales-america-inc/BM04B-SRSS-TB-LF-SN/455-1790-1-ND/926861, Connector Type=Header, Contact Finish - Mating=Tin, Contact Finish - Post=Tin, Contact Material="Copper Alloy", Contact Shape=Square, Contact Type="Male Pin", Fastening Type=Push-Pull, Features="Solder Retention", Insulation Height="0.167\" (4.25mm)", Insulation Material="Polyamide (PA), Nylon", LastUpdated="8/24/2020 1:45:53 PM", Lifecycle Status=Active, Minimum Order=1, Mounting Type="Surface Mount", Number of Positions=4, Number of Positions Loaded=All, Number of Rows=1, Packaging=TapeAndReel, Part Number=BM04B-SRSS-TB(LF)(SN), Part Status=Active, PartId=16, Pitch - Mating="0.039\" (1.00mm)", Price=0.29, Row Spacing - Mating="-25°C ~ 85°C", Series=SR, Shrouding="Shrouded - 4 Wall", Style="Board to Cable/Wire", Supplier 1=DigiKey, Termination=Solder
J_ISNS UART1 UART2 UART3: "CONN HEADER SMD 3POS 1MM", Current Rating (Amps)=0.7A, Insulation Color=Natural, Manufacturer="JST Sales America Inc.", Material Flammability Rating="UL94 V-0", Operating Temperature="-25°C ~ 85°C", Supplier Part Number 1=455-1789-1-ND, Voltage Rating=50V, ComponentLink1Description=Datasheet, ComponentLink1URL=http://www.jst-mfg.com/product/pdf/eng/eSR.pdf, ComponentLink2Description="DigiKey Link", ComponentLink2URL=http://digikey.com/product-detail/en/jst-sales-america-inc/BM03B-SRSS-TB-LF-SN/455-1789-1-ND/926860, Connector Type=Header, Contact Finish - Mating=Tin, Contact Finish - Post=Tin, Contact Material="Copper Alloy", Contact Shape=Square, Contact Type="Male Pin", Fastening Type=Push-Pull, Features="Solder Retention", Insulation Height="0.167\" (4.25mm)", Insulation Material="Polyamide (PA), Nylon", LastUpdated="1/12/2020 10:12:14 PM", Lifecycle Status=Active, Minimum Order=1, Mounting Type="Surface Mount", Number of Positions=3, Number of Positions Loaded=All, Number of Rows=1, Packaging=TapeAndReel, Part Number=BM03B-SRSS-TB(LF)(SN), Part Status=Active, PartId=14, Pitch - Mating="0.039\" (1.00mm)", Price=0.24, Series=SR, Shrouding="Shrouded - 4 Wall", Style="Board to Cable/Wire", Supplier 1=DigiKey, Termination=Solder
L1: library part MLP2520S4R7ST0S1, "FIXED IND 4.7UH 1A 110 MOHM SMD", Current Rating (Amps)=1A, DC Resistance (DCR)="143mOhm Max", Device Package="1008 (2520 Metric)", Inductance Frequency - Test=2MHz, Manufacturer="TDK Corporation", Operating Temperature="-40°C ~ 125°C", Supplier Part Number 1=445-6378-1-ND, Tolerance=±20%, ComponentLink1Description=Datasheet, ComponentLink1URL=https://product.tdk.com/info/en/catalog/datasheets/inductor_commercial_power_mlp2520_en.pdf?ref_disty=digikey, ComponentLink2Description="DigiKey Link", ComponentLink2URL=http://digikey.com/product-detail/en/tdk-corporation/MLP2520S4R7ST0S1/445-6378-1-ND/2465705, Height - Seated (Max)="0.039\" (1.00mm)", Inductance=4.7µH, LastUpdated="13-Aug-20 11:03:40 AM", Lifecycle Status=Active, Material - Core=Ferrite, Minimum Order=1, Mounting Type="Surface Mount", Package / Case="1008 (2520 Metric)", Packaging=TapeAndReel, Part Number=MLP2520S4R7ST0S1, Part Status=Active, PartId=3467, Price=0.14, Series=MLP, Shielding=Shielded, Size / Dimension="0.098\" L x 0.079\" W (2.50mm x 2.00mm)", Supplier 1=DigiKey, Supplier Device Package="1008 (2520 Metric)", Type=Multilayer
R1 R2 R3 R4 R6 R7 R11 R12 R13: library part RK73H1ETTP1432F, "RES 14.3K OHM 1% 1/10W 0402", Device Package="0402 (1005 Metric)", Manufacturer="KOA Speer Electronics, Inc.", Operating Temperature="-55°C ~ 155°C", Power (Watts)="0.1W, 1/10W", Ratings=AEC-Q200, Resistance="14.3 kOhms", Supplier Device Package=0402, Supplier Part Number 1=2019-RK73H1ETTP1432FCT-ND, Temperature Coefficient=±100ppm/°C, Tolerance=±1%, ComponentLink1Description=Datasheet, ComponentLink1URL=http://www.koaspeer.com/catimages/Products/RK73H/RK73H.pdf, ComponentLink2Description="DigiKey Link", ComponentLink2URL=https://www.digikey.com/en/products/detail/koa-speer-electronics-inc/RK73H1ETTP1432F/9844351, Composition="Thick Film", Features="Automotive AEC-Q200, Moisture Resistant", Height - Seated (Max)="0.016\" (0.40mm)", LastUpdated="8/14/2022 9:23:49 PM", Lifecycle Status=Active, Minimum Order=1, Number of Terminations=2, Package / Case="0402 (1005 Metric)", Packaging=CutTape, Part Number=RK73H1ETTP1432F, Part Status=Active, PartId=10193, Price=0.01, Series=RK73H, Size / Dimension="0.039\" L x 0.020\" W (1.00mm x 0.50mm)", Supplier 1=DigiKey
R5 R8 R9 R10 R20 R21 R22 R23 R24: library part RC0402FR-071KL, "RES 1K OHM 1% 1/16W 0402", Device Package="0402 (1005 Metric)", Manufacturer=Yageo, Operating Temperature="-55°C ~ 155°C", Power (Watts)="0.063W, 1/16W", Supplier Device Package=0402, Supplier Part Number 1=311-1.00KLRCT-ND, Temperature Coefficient=±100ppm/°C, Tolerance=±1%, ComponentLink1Description=Datasheet, ComponentLink1URL=https://www.yageo.com/upload/media/product/productsearch/datasheet/rchip/PYu-RC_Group_51_RoHS_L_10.pdf, ComponentLink2Description="DigiKey Link", ComponentLink2URL=https://www.digikey.com/en/products/detail/yageo/RC0402FR-071KL/726513, Composition="Thick Film", Features="Moisture Resistant", Height - Seated (Max)="0.016\" (0.40mm)", LastUpdated="7/25/2024 9:18:11 AM", Lifecycle Status=Active, Minimum Order=1, Number of Terminations=2, Package / Case="0402 (1005 Metric)", Packaging=CutTape, Part Number=RC0402FR-071KL, Part Status=Active, PartId=17596, Price=0.01, Resistance="1 kOhms", Series=RC_L, Size / Dimension="0.039\" L x 0.020\" W (1.00mm x 0.50mm)", Supplier 1=DigiKey
R14 R15: library part RC0402FR-071KL, "RES 1K OHM 1% 1/16W 0402", Device Package="0402 (1005 Metric)", Manufacturer=Yageo, Operating Temperature="-55°C ~ 155°C", Power (Watts)="0.063W, 1/16W", Resistance="1 kOhms", Supplier Device Package=0402, Supplier Part Number 1=311-1.00KLRCT-ND, Temperature Coefficient=±100ppm/°C, Tolerance=±1%, ComponentLink1Description=Datasheet, ComponentLink1URL=https://www.yageo.com/upload/media/product/productsearch/datasheet/rchip/PYu-RC_Group_51_RoHS_L_10.pdf, ComponentLink2Description="DigiKey Link", ComponentLink2URL=https://www.digikey.com/en/products/detail/yageo/RC0402FR-071KL/726513, Composition="Thick Film", Features="Moisture Resistant", Height - Seated (Max)="0.016\" (0.40mm)", LastUpdated="7/25/2024 9:18:11 AM", Lifecycle Status=Active, Minimum Order=1, Number of Terminations=2, Package / Case="0402 (1005 Metric)", Packaging=CutTape, Part Number=RC0402FR-071KL, Part Status=Active, PartId=17596, Price=0.01, Series=RC_L, Size / Dimension="0.039\" L x 0.020\" W (1.00mm x 0.50mm)", Supplier 1=DigiKey
R16_ESP R16_I2C1 R16_I2C3 R16_IMU R16_MCU R16_XBEE: library part RP73PF1E5K62BTD, "RES 5.62K OHM 0.1% 1/10W 0402", Device Package="0402 (1005 Metric)", Manufacturer="TE Connectivity Passive Product", Operating Temperature="-55°C ~ 155°C", Power (Watts)="0.1W, 1/10W", Resistance="5.62 kOhms", Supplier Device Package=0402, Supplier Part Number 1=A127391CT-ND, Temperature Coefficient=±25ppm/°C, Tolerance=±0.1%, ComponentLink1Description=Datasheet, ComponentLink1URL=https://www.te.com/commerce/DocumentDelivery/DDEController?Action=srchrtrv&DocNm=1773272&DocType=DS&DocLang=English, ComponentLink2Description="DigiKey Link", ComponentLink2URL=https://www.digikey.com/en/products/detail/te-connectivity-passive-product/RP73PF1E5K62BTD/8260933, Composition="Thin Film", Height - Seated (Max)="0.014\" (0.35mm)", LastUpdated="2/9/2024 8:30:24 PM", Lifecycle Status=Active, Minimum Order=1, Number of Terminations=2, Package / Case="0402 (1005 Metric)", Packaging=TapeAndReel, Part Number=RP73PF1E5K62BTD, Part Status=Active, PartId=2425, Price=0.08, Series="RP73, Holsworthy", Size / Dimension="0.039\" L x 0.020\" W (1.00mm x 0.50mm)", Supplier 1=DigiKey
R17 R18: library part CRCW040210K0DHEDP, "RES SMD 10K OHM 0.5% 1/16W 0402", Device Package="0402 (1005 Metric)", Manufacturer="Vishay Dale", Operating Temperature="-55°C ~ 155°C", Power (Watts)="0.063W, 1/16W", Ratings=AEC-Q200, Supplier Device Package=0402, Supplier Part Number 1=541-10KAVCT-ND, Temperature Coefficient=±50ppm/°C, Tolerance=±0.5%, ComponentLink1Description=Datasheet, ComponentLink1URL=http://www.vishay.com/docs/20036/dcrcwpe3.pdf, ComponentLink2Description="DigiKey Link", ComponentLink2URL=https://www.digikey.com/en/products/detail/vishay-dale/CRCW040210K0DHEDP/3593893, Composition="Thick Film", Features="Automotive AEC-Q200", Height - Seated (Max)="0.016\" (0.40mm)", LastUpdated="9/24/2023 7:25:38 PM", Lifecycle Status=Active, Minimum Order=1, Number of Terminations=2, Package / Case="0402 (1005 Metric)", Packaging=TapeAndReel, Part Number=CRCW040210K0DHEDP, Part Status=Active, PartId=5057, Price=0.03, Resistance="10 kOhms", Series=CRCW-P, Size / Dimension="0.039\" L x 0.020\" W (1.00mm x 0.50mm)", Supplier 1=DigiKey
R19: library part WSL120600000ZEA9, "RES 0 OHM JUMPER 1206", Device Package="1206 (3216 Metric)", Manufacturer="Vishay Dale", Operating Temperature="-65°C ~ 170°C", Resistance="0 Ohms", Supplier Device Package=1206, Supplier Part Number 1=541-3929-1-ND, Temperature Coefficient=±3900ppm/°C, Tolerance=Jumper, ComponentLink1Description=Datasheet, ComponentLink1URL=http://www.vishay.com/docs/30192/wsl-9.pdf, ComponentLink2Description="DigiKey Link", ComponentLink2URL=https://www.digikey.com/en/products/detail/vishay-dale/WSL120600000ZEA9/7423219, Composition="Metal Element", Height - Seated (Max)="0.035\" (0.89mm)", LastUpdated="2/9/2024 8:54:11 PM", Lifecycle Status=Active, Minimum Order=1, Number of Terminations=2, Package / Case="1206 (3216 Metric)", Packaging=TapeAndReel, Part Number=WSL120600000ZEA9, Part Status=Active, PartId=35636, Price=0.31, Series=WSL, Size / Dimension="0.126\" L x 0.063\" W (3.20mm x 1.60mm)", Supplier 1=DigiKey
R25 R26: library part WSTC0603RLR004FNR, "2T WSTC0603 0.33W 100PPM 4 MOHM", Device Package="0603 (1608 Metric)", Manufacturer="Littelfuse Inc.", Operating Temperature="-55°C ~ 155°C", Power (Watts)="0.333W, 1/3W", Resistance="4 mOhms", Supplier Device Package=0603, Supplier Part Number 1=18-WSTC0603RLR004FNRCT-ND, Temperature Coefficient=±100ppm/°C, Tolerance=±1%, ComponentLink1Description=Datasheet, ComponentLink1URL=https://mm.digikey.com/Volume0/opasdata/d220001/medias/docus/4903/WSTC_Series_3-17-23.pdf, ComponentLink2Description="DigiKey Link", ComponentLink2URL=https://www.digikey.com/en/products/detail/littelfuse-inc/WSTC0603RLR004FNR/18795246, Composition="Metal Foil", Features="Current Sense, High Voltage", Height - Seated (Max)="0.022\" (0.55mm)", LastUpdated="2/9/2024 8:40:30 PM", Lifecycle Status=Active, Minimum Order=1, Number of Terminations=2, Package / Case="0603 (1608 Metric)", Packaging=TapeAndReel, Part Number=WSTC0603RLR004FNR, PartId=81875, Price=0.10, Series=WSTC, Size / Dimension="0.063\" L x 0.031\" W (1.60mm x 0.80mm)", Supplier 1=DigiKey
U1: library part PIC32MZ0512EFE064-I/PT, "32-bit Microcontrollers - MCU 32-BIT MCU 512KB FL 128KB RAM, No Crypto", Package="TQFP-64 Microchip", Availability=Unavailable, MF=Microchip, MP=PIC32MZ2048EFG064T-I/PT, Price=None, SnapEDA_Link=https://www.snapeda.com/parts/PIC32MZ2048EFG064T-I/PT/Microchip/view-part/565997/?ref=snap
U2: "802.15.4 Zigbee Transceiver Module 2.4GHz Antenna Not Included, U.FL Surface Mount", Package="SMD-34 Digi International", Availability=Unavailable, MF="Digi International", MP=XB3-24Z8UM-J, Price=None, SnapEDA_Link=https://www.snapeda.com/parts/XB3-24Z8UM-J/Digi%20International/view-part/2762908/?ref=snap
U4: "5V fixed step down Buck"
U5_ESP U5_I2C1 U5_I2C3 U5_IMU U5_MCU U5_XBEE: "3.3V LDO"
U6: "Magnetometer"
U8 U9 U10: "11-V, 1-A H-bridge motor driver 8-WSON -40 to 85", Package="WSON-8 Texas Instruments", Availability=Good, DigiKey-Purchase-URL=https://snapeda.com/shop?store=DigiKey&id=617854, MF="Texas Instruments", Mouser-Purchase-URL=https://snapeda.com/shop?store=Mouser&id=617854, MP=DRV8837CDSGR, Price=None, SnapEDA_Link=https://www.snapeda.com/parts/DRV8837CDSGR/Texas%20Instruments/view-part/617854/?ref=snap, Texas_Instruments-Purchase-URL=https://snapeda.com/shop?store=Texas+Instruments&id=617854
Y1: library part ASD3-27.000MHZ-EC-T, "XTAL OSC XO 27.0000MHZ HCMOS SMD", Current - Supply (Max)=4mA, Frequency Stability=±50ppm, Manufacturer="Abracon LLC", Operating Temperature="-20°C ~ 70°C", Package / Case="4-SMD, No Lead", Supplier Part Number 1=535-9608-1-ND, Voltage - Supply=1.8V, Base Resonator=Crystal, ComponentLink1Description=Datasheet, ComponentLink1URL=https://abracon.com/Oscillators/ASDseries.pdf, ComponentLink2Description="DigiKey Link", ComponentLink2URL=http://digikey.com/product-detail/en/abracon-llc/ASD3-27.000MHZ-EC-T/535-9608-1-ND/1237075, Frequency=27MHz, Function=Enable/Disable, Height - Seated (Max)="0.039\" (1.00mm)", LastUpdated="6/3/2024 8:02:05 PM", Lifecycle Status=Active, Minimum Order=1, Mounting Type="Surface Mount", Output=HCMOS, Packaging=TapeAndReel, Part Number=ASD3-27.000MHZ-EC-T, Part Status=Active, PartId=4, Price=1.74, Series=ASD, Size / Dimension="0.098\" L x 0.079\" W (2.50mm x 2.00mm)", Supplier 1=DigiKey, Type="XO (Standard)"

## Free pads (board coordinates)
  round 3.5 hole 2 unplated: 1(-24.5,23.8) 1(-4,-3.7) 1(4,-3.8) 1(24.5,23.8)

## Via types
v1: diameter 0.45, hole 0.3, Top Layer to Bottom Layer, tented both sides, 239 vias

## Nets (pads, with @x,y where several pads share a name; then routed paths per layer and width w, separated by ;. In a path a pad name is that pad's centre, name@x,y a point inside that pad or via, vN(x,y) a via of type N, cw(c..) or ccw(c..) an arc to the next point about the centre after c; other vN are vias at no path point)
3V3_EN_2: R16_I2C1.2 U5_I2C1.3 | length 0.7
  Top Layer w0.127: U5_I2C1.3@5.975,2.17 5.975,1.65 R16_I2C1.2@6.125,1.5
3V3_EN_3: R16_I2C3.2 U5_I2C3.3 | length 0.7
  Top Layer w0.127: R16_I2C3.2@-13.095,24.1 -12.97,24.225 -12.495,24.225
3V3_EN_4: R16_IMU.2 U5_IMU.3 | length 0.8
  Top Layer w0.127: U5_IMU.3@-12.67,18.375 -12.236,18.375 -12,18.612 R16_IMU.2@-12,18.625
3V3_EN_5: R16_MCU.2 U5_MCU.3 | length 0.8
  Bottom Layer w0.127: -7.87,12.165 -7.437,12.165 -7.2,11.928 R16_MCU.2@-7.2,11.915
3V3_ESP: C10_ESP.2 C30.2 C31.2 R17.1 R18.2 U5_ESP.1 U7.2 | length 28.8
  Layer 2 w0.254: v1(21,2) v1(21,3.6) 21,18.7 v1(22.7,20.4)
  Bottom Layer w0.15: U5_ESP.1@20.675,0.63 20.675,0.995 20.96,1.28 C10_ESP.2@20.96,1.3 C10_ESP.2@21,1.34
  Bottom Layer w0.254: R17.1@15.9,2.2 15.925,2.175 R18.2@17,2.175 18.1,2.175 C30.2@18.2,2.075 20.872,2.075 20.947,2 v1@20.96,2 ; C10_ESP.2@21,1.34 20.96,1.38 v1@20.96,2 ; v1(21,2) v1@20.96,2 ; v1(21,3.6) 20.98,3.58 20.98,2.82 C31.2@20.96,2.8 v1@20.96,2 ; U7.2@21.365,20.44 21.405,20.4 v1(22.7,20.4) v1@22.763,20.4
3V3_I2C1: C10_I2C1.2 J_I2C1.1 J_ISNS.2 U5_I2C1.1 | length 9.1
  Top Layer w0.254: J_I2C1.1@4.9,8.062 5.581,8.062 7.254,6.389 7.254,4.7 ; C10_I2C1.2@6.34,3.68 6.625,3.395 U5_I2C1.1@6.625,3.03 ; C10_I2C1.2@6.34,3.7 6.34,3.72 6.513,3.893 6.677,3.893 6.826,4.042 6.826,4.045 7.254,4.473 7.254,4.7 ; J_ISNS.2@9.4,4.7 7.254,4.7
3V3_I2C3: C10_I2C3.2 J_I2C3.1 U5_I2C3.1 | length 4.5
  Top Layer w0.254: U5_I2C3.1@-11.565,23.6 -11.2,23.6 C10_I2C3.2@-10.895,23.905 ; C10_I2C3.2@-10.86,23.885 -7.673,23.885 -7.5,23.712 J_I2C3.1@-7.5,23.437
3V3_IMU: C7.1 C10_IMU.2 C13.1 C17.1 C18.1 U3.8 U3.13 U5_IMU.1 U6.5 U6.6 U6.10 | length 31.3
  Top Layer w0.15: C10_IMU.2@-14.18,18.74 -13.895,19.025 U5_IMU.1@-13.53,19.025
  Top Layer w0.254: C13.1@-22.59,15.75 U3.8@-21.575,15.75 ; -20.85,12 U3.13@-20.85,13 ; C17.1@-19.9,23.54 -19.88,23.54 -19.692,23.352 -19.127,23.352 U6.5@-19.125,23.35 U6.6@-19.125,22.85 ; C18.1@-17.45,21.53 U6.10@-17.45,22.2
  Top Layer w0.4: C13.1@-22.59,15.75 C13.1@-22.6,15.76 -22.64,15.8 -24,15.8 ; C7.1@-19.94,12 -20.85,12 -22.6,12 -24,13.4 -24,15.8 ; C17.1@-19.9,23.54 -19.948,23.492 -20.566,23.492 -20.8,23.257 -20.8,20.4 ; C18.1@-17.66,21.3 -17.66,20.4 ; C10_IMU.2@-14.18,18.74 C10_IMU.2@-14.2,18.74 -14.243,18.783 -16.043,18.783 -17.66,20.4 ; -24,15.8 -24,17.2 -20.8,20.4 ; -20.8,20.4 -17.66,20.4